# Altium PCB VESC_KS75600.PcbDoc (part 2 of 3) (continued)
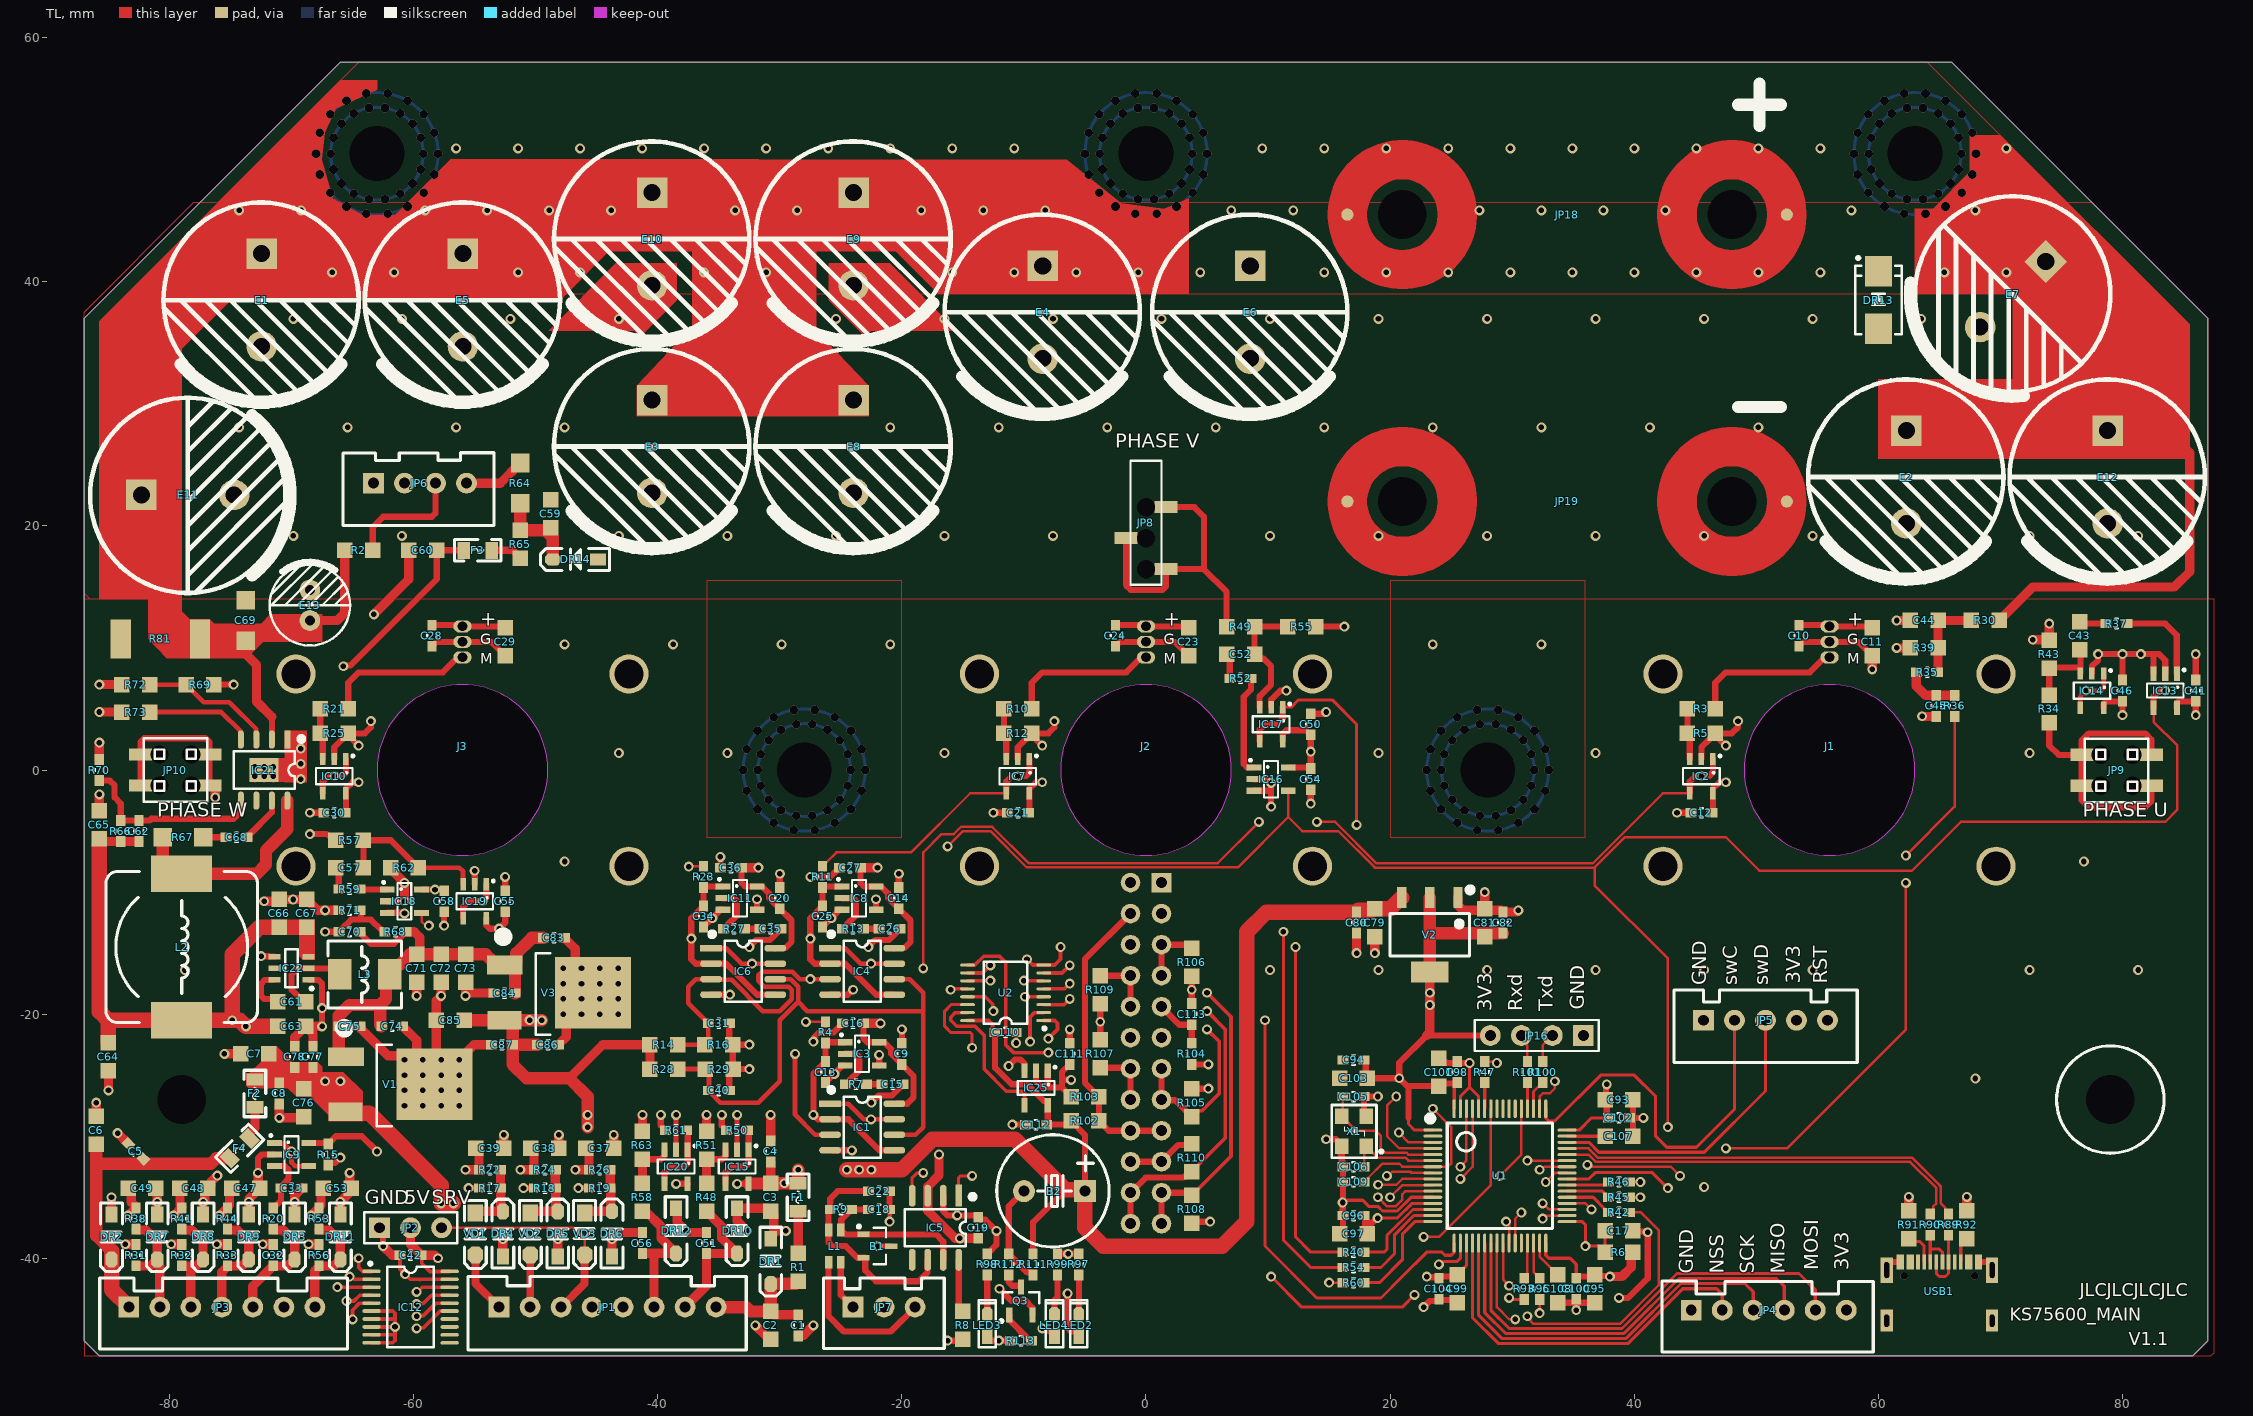
[diagram p0: TL view]
## Nets (pads, with @x,y where several pads share a name; then routed paths per layer and width w, separated by ;. In a path a pad name is that pad's centre, name@x,y a point inside that pad or via, vN(x,y) a via of type N, cw(c..) or ccw(c..) an arc to the next point about the centre after c; other vN are vias at no path point) (continued)
  other v1: -77.25,-35.378 45.72,-34.163 40.75,-28.5 -60.75,-27.5 -59.25,-27.5 -57.75,-27.5 -56.25,-27.5 -60.75,-26.25 -59.25,-26.25 -57.75,-26.25 -56.25,-26.25 67.945,-25.273 -60.75,-25 -59.25,-25 -57.75,-25 -56.25,-25 -60.75,-23.75 -59.25,-23.75 -57.75,-23.75 -56.25,-23.75 -47.75,-20 -46.25,-20 -44.75,-20 -43.25,-20 -47.75,-18.75 -46.25,-18.75 -44.75,-18.75 -43.25,-18.75 -47.75,-17.5 -46.25,-17.5 -44.75,-17.5 -43.25,-17.5 -78.74,-16.383 10.16,-16.383 19.05,-16.383 27.94,-16.383 36.83,-16.383 45.72,-16.383 54.61,-16.383 72.39,-16.383 81.28,-16.383 -47.75,-16.25 -46.25,-16.25 -44.75,-16.25 -43.25,-16.25 17.25,-15 -47.625,-7.493 76.835,-7.493 -68.5,-3.5 -69.25,-0.75 -73,-0.5 -72.25,-0.5 -71.5,-0.5 -73,0.25 -72.25,0.25 -71.5,0.25 -69.25,0.5 -43.18,1.397 -34.29,1.397 -16.51,1.397 19.05,1.397 36.83,1.397 72.39,1.397 -69.25,1.75 81.5,9.5 -47.625,10.287 -38.735,10.287 -29.845,10.287 -20.955,10.287 23.495,10.287 32.385,10.287 -69.85,19.177 -60.96,19.177 -43.18,19.177 -34.29,19.177 -25.4,19.177 -16.51,19.177 -7.62,19.177 10.16,19.177 19.05,19.177 27.94,19.177 36.83,19.177 45.72,19.177 54.61,19.177 72.39,19.177 81.28,19.177 -74.295,28.067 -65.405,28.067 -56.515,28.067 -47.625,28.067 -20.955,28.067 -12.065,28.067 -3.175,28.067 5.715,28.067 14.605,28.067 23.495,28.067 32.385,28.067 41.275,28.067 50.165,28.067 -69.85,36.957 -60.96,36.957 -52.07,36.957 -43.18,36.957 -25.4,36.957 -16.51,36.957 -7.62,36.957 1.27,36.957 10.16,36.957 19.05,36.957 27.94,36.957 36.83,36.957 45.72,36.957 54.61,36.957 63.5,36.957
  other v2: -28.868,-4.924 -27.132,-4.924 27.132,-4.924 28.868,-4.924 -30.5,-4.33 -25.5,-4.33 25.5,-4.33 30.5,-4.33 -28.66,-3.742 -27.34,-3.742 27.34,-3.742 28.66,-3.742 -29.9,-3.291 -26.1,-3.291 26.1,-3.291 29.9,-3.291 -31.83,-3.214 -24.17,-3.214 24.17,-3.214 31.83,-3.214 -30.911,-2.443 -25.089,-2.443 25.089,-2.443 30.911,-2.443 -32.699,-1.71 -23.302,-1.71 23.301,-1.71 32.698,-1.71 -31.571,-1.3 -24.429,-1.3 24.429,-1.3 31.571,-1.3 -33,0 -31.8,0 -24.2,0 -23,0 23,0 24.2,0 31.8,0 33,0 -31.571,1.299 -24.429,1.299 24.429,1.299 31.571,1.299 -32.699,1.71 -23.302,1.71 23.301,1.71 32.698,1.71 -30.911,2.442 -25.089,2.442 25.089,2.442 30.911,2.442 -31.83,3.214 -24.17,3.214 24.17,3.214 31.83,3.214 -29.9,3.291 -26.1,3.291 26.1,3.291 29.9,3.291 -28.66,3.742 -27.34,3.742 27.34,3.742 28.66,3.742 -30.5,4.33 -25.5,4.33 25.5,4.33 30.5,4.33 -28.868,4.924 -27.132,4.924 27.132,4.924 28.868,4.924
HALL_A_S: R42.1 U1.37 | length 3.9
  TL w0.254: U1.37@34.5,-35 36.636,-35 37.569,-35.933 37.569,-35.996 37.823,-36.25 R42.1@37.886,-36.25
HALL_B_S: R45.1 U1.38 | length 3.6
  TL w0.254: U1.38@34.5,-34.5 37.386,-34.5 37.569,-34.683 37.569,-34.746 37.823,-35 R45.1@37.886,-35
HALL_C_S: R46.1 U1.39 | length 3.5
  TL w0.254: U1.39@34.5,-34 37.636,-34 R46.1@37.886,-33.75
HV_BUF: R36.1 U1.11 | length 91.1
  TL w0.203: v1(19,-35) 19.75,-35.75 20.434,-35.75 21,-35.184 21,-34.753 21.253,-34.5 U1.11@23.5,-34.5 ; v1(36.158,-32.342) 36.275,-32.459 36.54,-32.459 36.582,-32.5 43,-32.5 v1(43.75,-33.25) ; v1(47.5,-31) 52.5,-31 62.25,-21.25 v1(62.25,-9.25) ; v1(62.25,-7) 66.25,-3 R36.1@66.25,4.386
  S1 w0.203: v1(19,-35) 20.171,-33.829 24.327,-33.829 25.103,-34.606 25.106,-34.606 25.5,-35 31,-35 31.5,-35.5 31.5,-37.5 31.75,-37.75 36,-37.75 37.442,-36.308 37.442,-33.625 v1(36.158,-32.342) ; v1(43.75,-33.25) 45.25,-33.25 v1(47.5,-31) ; v1(62.25,-9.25) v1(62.25,-7)
IU_5VR: J1.3 R3.2 | length 12.4
  TL w0.508: R3.2@46.643,5 46.643,7.143 47.5,8 54.387,8 55.617,9.23 J1.3@56,9.23
IU_BUF: C13.1 IC1.2 IC1.5 IC3.1 R4.1 U1.8 | length 83.2
  TL w0.203: v1(19.733,-33.247) 19.831,-33.247 20.157,-32.92 21.67,-32.92 21.75,-33 U1.8@23.5,-33
  TL w0.508: IC3.1@-24.65,-22.3 -26.186,-22.3 R4.1@-26.25,-22.364 C13.1@-26.25,-23.886 -26.25,-23.949 -26.377,-24.076 -26.44,-24.076 -27.25,-24.886 v1(-27.25,-28.25) -26.885,-28.615 -24.385,-28.615 -21.845,-31.155 IC1.5@-20.375,-31.155
  S1 w0.203: v1(-27.25,-28.25) -26.767,-28.732 -26.767,-29.79 -26.683,-29.874 -26.683,-38.058 -24.925,-39.816 -8.419,-39.816 -7.08,-41.156 -5.699,-41.156 -4.59,-42.264 10.42,-42.264 10.91,-41.774 10.91,-40.119 14.935,-36.093 16.388,-36.093 16.775,-35.707 16.775,-35.225 18.753,-33.247 v1(19.733,-33.247)
IV_5VR: J2.3 R10.2 | length 12.4
  TL w0.508: R10.2@-9.357,5 -9.357,7.143 -8.5,8 -1.613,8 -0.383,9.23 J2.3@0,9.23
IV_BUF: C25.1 IC4.2 IC4.5 IC8.1 R11.1 U1.9 | length 114.3
  TL w0.203: v1(19.012,-33.979) 20.519,-33.979 20.997,-33.5 U1.9@23.5,-33.5
  TL w0.508: C25.1@-26.5,-11.136 -26.5,-11.2 -26.627,-11.327 -26.691,-11.327 -27.5,-12.136 v1(-27.5,-13.818) -27.5,-15.5 -27.135,-15.865 IC4.2@-25.875,-15.865 -24.635,-15.865 -22.095,-18.405 IC4.5@-20.625,-18.405 ; C25.1@-26.5,-11.136 R11.1@-26.5,-9.614 -26.436,-9.55 IC8.1@-24.9,-9.55
  S1 w0.203: v1(-27.5,-13.818) -36.068,-13.818 -36.894,-14.644 -36.894,-26.603 -36.619,-26.878 -30.182,-26.878 -27.655,-29.405 -27.039,-30.021 -27.039,-38.205 -25.072,-40.172 -8.566,-40.172 -7.227,-41.511 -5.846,-41.511 -4.737,-42.62 10.567,-42.62 11.266,-41.921 11.266,-40.266 15.083,-36.449 16.536,-36.449 19.006,-33.979 v1(19.012,-33.979)
IW_5VR: J3.3 R21.2 | length 12.4
  TL w0.508: R21.2@-65.357,5 -65.357,7.143 -64.5,8 -57.613,8 -56.383,9.23 J3.3@-56,9.23
IW_BUF: C34.1 IC6.2 IC6.5 IC11.1 R23.1 U1.10 | length 105.9
  TL w0.203: v1(20,-35) 21,-34 U1.10@23.5,-34
  TL w0.508: C34.1@-36.25,-11.136 -36.25,-11.2 -36.377,-11.327 -36.441,-11.327 -37.25,-12.136 v1(-37.25,-13.818) -37.25,-15.5 -36.885,-15.865 IC6.2@-35.625,-15.865 -34.385,-15.865 -31.845,-18.405 IC6.5@-30.375,-18.405 ; C34.1@-36.25,-11.136 R23.1@-36.25,-9.614 -36.186,-9.55 IC11.1@-34.65,-9.55
  S1 w0.203: v1(-37.25,-13.818) -37.25,-26.75 -36.766,-27.234 -30.329,-27.234 -27.782,-29.782 -27.394,-30.169 -27.394,-38.353 -25.219,-40.528 -8.714,-40.528 -7.374,-41.867 -5.993,-41.867 -4.885,-42.976 10.714,-42.976 11.622,-42.068 11.622,-40.413 15.23,-36.805 16.683,-36.805 17.547,-35.94 19.06,-35.94 v1(20,-35)
MCU_RESET: C109.2 JP5.5 U1.7 | length 50.2
  TL w0.203: C109.2@17.864,-33.75 17.927,-33.75 18.206,-33.471 18.206,-33.407 19.364,-32.25 20.75,-32.25 21,-32.5 U1.7@23.5,-32.5 24.75,-32.5 25,-32.25 25,-29.25 v1(23.5,-27.75)
  S1 w0.203: v1(23.5,-27.75) 23.5,-24.75 25.25,-23 53.33,-23 JP5.5@55.83,-20.5
MOTOR_PWM_S: R47.1 U1.59 | length 2.1
  TL w0.254: U1.59@27.75,-27.751 R47.1@27.75,-25.614
NetB1_1: B1.1 C18.1 IC5.7 L1.4 R9.1 | length 14.1
  TL w0.508: R9.1@-24,-35.873 R9.1@-24.127,-36 ; C18.1@-22.728,-36 R9.1@-24.127,-36 ; IC5.7@-16.615,-40.125 -16.615,-38.635 -17.2,-38.05 B1.1@-23.143,-38.05 -24.625,-38.05 -24.729,-37.946 -24.954,-37.946 -25,-37.9 L1.4@-25,-37.675 -24.962,-37.637 -24.962,-36.826 -24.327,-36.19 -24.327,-36.127 -24.2,-36 R9.1@-24.136,-36 R9.1@-24.127,-36
NetB1_2: B1.2 C22.2 IC5.6 L1.1 R9.2 | length 18.3
  TL w0.508: R9.2@-25.864,-36 R9.2@-25.873,-36 ; C22.2@-22.864,-34.5 -25.25,-34.5 -25.873,-35.123 R9.2@-25.873,-36 ; IC5.6@-17.885,-40.125 -17.893,-40.133 -17.893,-41.143 -18.636,-41.886 -22.114,-41.886 -23,-41 -23,-39.979 -23.029,-39.95 B1.2@-23.143,-39.95 -23.643,-39.95 -24.593,-39 -25.702,-39 -26,-38.702 L1.1@-26,-37.675 -26,-36.127 R9.2@-25.873,-36
NetB2_2: B2.2 R111.2 R112.2 | length 8.4
  TL w0.508: B2.2@-10,-34.5 -11.25,-35.75 R112.2@-11.25,-39.636 -11.25,-39.7 -11.123,-39.827 -11.06,-39.827 -9.713,-41.173 -9.377,-41.173 -9.25,-41.3 R111.2@-9.25,-41.364
NetC15_1: C15.1 R7.2 | length 1.3
  TL w0.508: R7.2@-22.886,-25.75 C15.1@-21.614,-25.75
NetC26_1: C26.1 R13.2 | length 1.3
  TL w0.508: R13.2@-23.136,-13 C26.1@-21.864,-13
NetC33_2: C33.2 IC9.3 R20.2 | length 5
  TL w0.508: R20.2@-71.5,-35.886 -71.5,-35.823 -71.373,-35.696 -71.309,-35.696 -70.863,-35.25 C33.2@-70.863,-34.25 -70.8,-34.25 -70.673,-34.123 -70.673,-33.923 -70.25,-33.5 -70.25,-32.75 -70.55,-32.45 IC9.3@-71.4,-32.45
NetC35_1: C35.1 R27.2 | length 1.3
  TL w0.508: R27.2@-32.886,-13 C35.1@-31.614,-13
NetC43_1: C43.1 R37.1 | length 2.5
  TL w0.508: C43.1@76.746,12.389 C43.1@76.5,12.143 76.643,12 R37.1@78.611,12
NetC43_2: C43.2 IC14.3 R34.1 R43.2 | length 6.8
  TL w0.508: R34.1@74,6.143 R43.2@74,8.357 74.043,8.4 76.55,8.4 ; C43.2@76.5,9.857 76.55,9.807 76.55,8.4 ; IC14.3@76.55,7.9 76.55,8.4
NetC44_1: C44.1 R30.1 R35.2 R39.2 | length 7
  TL w0.762: R35.2@64.864,8 64.893,8 R39.2@64.893,10 C44.1@64.893,12.25 R30.1@67.607,12.25
NetC45_1: C45.1 R35.1 R36.2 | length 4.6
  TL w0.762: R35.1@63.111,8 63.111,6.889 63.886,6.114 R36.2@66.25,6.114
NetC47_2: C47.2 IC12.4 R44.1 | length 18.2
  TL w0.305: v1(-65.5,-43.5) -65.496,-43.496 -64.892,-43.496 -64.422,-43.025 IC12.4@-63.45,-43.025
  TL w0.762: v1(-75.91,-36.511) R44.1@-75.26,-35.861 ; R44.1@-75.25,-35.861 -75.25,-35.798 -75.09,-35.638 -75.09,-34.447 C47.2@-74.893,-34.25
  S1 w0.305: v1(-75.91,-36.511) -69.921,-42.5 -67.5,-42.5 -66.5,-43.5 v1(-65.5,-43.5)
NetC48_2: C48.2 IC12.3 R41.1 | length 23.8
  TL w0.305: v1(-66.246,-42.363) -66.235,-42.375 IC12.3@-63.45,-42.375
  TL w0.762: v1(-79.66,-36.511) R41.1@-79.01,-35.861 ; C48.2@-79.143,-34.25 -79.143,-35.655 R41.1@-79,-35.798
  S1 w0.305: v1(-79.66,-36.511) -79.66,-34.91 -79.25,-34.5 -75.547,-34.5 -68.004,-42.043 -67.311,-42.043 -66.978,-42.375 -66.258,-42.375 v1(-66.246,-42.363)
NetC49_2: C49.2 IC12.2 R38.1 | length 28.9
  TL w0.305: v1(-65.25,-41.5) -65.113,-41.5 -64.888,-41.725 IC12.2@-63.45,-41.725
  TL w0.762: v1(-83.41,-36.511) R38.1@-82.76,-35.861 ; C49.2@-83.393,-34.25 -83.139,-34.504 -83.139,-35.409 -82.75,-35.798 R38.1@-82.75,-35.861
  S1 w0.305: v1(-83.41,-36.511) -83.41,-35.16 -82.25,-34 -73.5,-34 -72.5,-35 -72.5,-36.9 -70.383,-39.018 -69.065,-40.336 -68.371,-40.336 -67.207,-41.5 v1(-65.25,-41.5)
NetC52_1: C52.1 R52.1 | length 2.1
  TL w0.508: C52.1@6.607,9.5 6.861,9.246 R52.1@6.861,7.5
NetC52_2: C52.2 IC17.3 R49.1 R55.2 | length 10.5
  TL w0.508: IC17.3@9.3,5.15 9.3,6.05 10.25,7 10.25,8.5 9.631,9.119 9.274,9.119 C52.2@8.893,9.5 R49.1@8.893,11.75 R55.2@11.607,11.75
NetC53_2: C53.2 IC12.5 R53.1 | length 15.5
  TL w0.305: v1(-65,-45) -65,-44.25 -64.425,-43.675 IC12.5@-63.45,-43.675
  TL w0.762: v1(-68.41,-36.511) R53.1@-67.76,-35.861 ; R53.1@-67.75,-35.861 -67.75,-35.798 -67.59,-35.638 -67.59,-34.447 C53.2@-67.393,-34.25
  S1 w0.305: v1(-68.41,-36.511) -67,-37.921 -67,-38.623 -64.5,-41.123 -64.5,-43.668 -65,-44.168 v1(-65,-45)
NetC57_1: C57.1 R59.1 | length 1.9
  TL w0.508: C57.1@-66.393,-8 -66.139,-8.254 R59.1@-66.139,-9.75
NetC57_2: C57.2 IC19.3 R57.1 R62.2 | length 12.5
  TL w0.381: R62.2@-59.607,-8 -56.25,-8 -55.95,-8.3 IC19.3@-55.95,-9.35
  TL w0.508: C57.2@-64.107,-8 R57.1@-64.107,-5.75 -61.857,-5.75 R62.2@-59.607,-8
NetC59_1: C59.1 DR14.2 R64.1 R65.1 | length 6.9
  TL w1.016: R64.1@-51.25,21.849 R65.1@-51.25,19.643 -49.195,19.643 -48.6,19.048 DR14.2@-48.6,17.25
NetC61_1: C61.1 IC22.6 | length 3.8
  TL w0.508: IC22.6@-71.397,-17.2 -72.202,-17.2 -72.5,-17.498 -72.5,-18.5 -72.237,-18.763 -71.38,-18.763 C61.1@-71.143,-19
NetC61_2: C61.2 IC22.2 L3.1 | length 6
  TL w0.508: -69.5,-18.5 -70,-18 -70,-16.75 -69.5,-16.25 IC22.2@-68.603,-16.25 -66.222,-16.25 L3.1@-66.197,-16.225
NetC62_2: C62.2 IC21.5 R66.1 R70.2 | length 15.6
  TL w0.508: R70.2@-85.702,-0.912 R70.2@-85.75,-0.864 -84.886,-0.864 -84.5,-1.25 -84.5,-2.25 -84,-2.75 R66.1@-84,-4.136 -82.5,-4.136 -81.636,-4.136 -81.5,-4 -74.75,-4 -74.155,-3.405 IC21.5@-74.155,-2.5
NetC68_1: C68.1 R67.1 | length 1.9
  TL w0.508: R67.1@-77.25,-5.5 C68.1@-75.389,-5.5
NetC68_2: C68.2 IC21.7 | length 4.1
  TL w0.508: C68.2@-73.636,-5.5 C68.2@-73.573,-5.5 ; C68.2@-73.438,-5.635 C68.2@-73.573,-5.5 ; IC21.7@-71.615,-2.5 -71.615,-3.479 -73.446,-5.31 -73.446,-5.373 C68.2@-73.573,-5.5
NetC70_2: C70.2 IC22.4 R68.1 R71.2 | length 14.7
  TL w0.508: v1(-72.5,-15.25) -71.854,-15.25 -71.833,-15.271 -71.426,-15.271 IC22.4@-71.397,-15.3 ; v1(-67.25,-13.25) C70.2@-66.05,-13.25 ; C70.2@-66.114,-13.25 C70.2@-66.05,-13.25 ; R71.2@-64.386,-11.5 -64.307,-11.58 -64.307,-12.25 ; R68.1@-62.389,-13.25 -62.516,-13.123 -62.627,-13.123 -63.5,-12.25 -64.307,-12.25 ; C70.2@-66.05,-13.25 -65.923,-13.123 -65.923,-13.059 -65.114,-12.25 -64.307,-12.25
  S1 w0.508: v1(-72.5,-15.25) -67.75,-15.25 -67.25,-14.75 v1(-67.25,-13.25)
NetC105_2: C105.2 U1.5 X1.3 | length 11.1
  TL w0.203: C105.2@16.136,-26.75 16.136,-28.27 X1.3@16.044,-28.362 16.044,-28.462 16.493,-28.911 16.593,-28.911 17.225,-29.543 18.826,-29.543 19.25,-29.968 19.25,-31 19.606,-31.356 21.359,-31.356 21.503,-31.5 U1.5@23.5,-31.5
NetC106_2: C106.2 U1.6 X1.1 | length 7.7
  TL w0.203: C106.2@17.864,-32.5 17.864,-31.013 X1.1@18.051,-30.826 18.051,-30.926 18.499,-31.375 18.599,-31.375 18.975,-31.75 21.25,-31.75 21.5,-32 U1.6@23.5,-32
NetC107_1: C107.1 U1.47 | length 3.1
  TL w0.254: U1.47@34.5,-30 C107.1@37.607,-30
NetC108_1: C108.1 U1.31 | length 3.2
  TL w0.203: U1.31@32.25,-38.75 32.25,-39.857 C108.1@33.75,-41.357
NetDR4_2: DR4.2 R17.1 R22.2 VD1.1 | length 5.8
  TL w0.762: VD1.1@-54.937,-36.294 -54.801,-36.159 DR4.2@-52.687,-36.159 -52.687,-35.982 -52.861,-35.807 -52.861,-34.25 R17.1@-52.886,-34.25 R22.2@-52.886,-32.75
NetDR5_2: DR5.2 R18.1 R24.2 VD2.1 | length 6.2
  TL w0.762: VD2.1@-50.437,-36.294 -50.301,-36.159 DR5.2@-48.187,-36.159 -48.187,-35.982 -48.361,-35.807 -48.361,-34.65 ; R24.2@-48.386,-32.75 -48.386,-34.625 -48.361,-34.65 ; R18.1@-48.361,-34.25 -48.361,-34.65
NetDR6_2: DR6.2 R19.1 R26.2 VD3.1 | length 5.8
  TL w0.762: VD3.1@-46,-36.286 -45.865,-36.15 DR6.2@-43.75,-36.15 -43.75,-35.973 -43.861,-35.862 -43.861,-34.25 R19.1@-43.886,-34.25 R26.2@-43.886,-32.75
NetF1_2: F1.2 R1.2 | length 3.5
  TL w0.762: R1.2@-28.5,-39.607 F1.2@-28.5,-36.143
NetF2_2: F2.2 F4.1 | length 2.8
  TL w0.762: F4.1@-73.442,-30.192 -73.576,-30.057 -73.576,-29.877 -73,-29.301 F2.2@-73,-27.643
NetF3_2: F3.2 R65.2 | length 2.6
  TL w0.635: F3.2@-53.607,18 -51.893,18 R65.2@-51.25,17.357
NetIC2_1: IC2.1 IC2.4 R4.2 | length 103.7
  TL w0.203: v1(-27.864,-20.636) R4.2@-26.25,-20.636 ; v1(-18.25,-16.25) -18.25,-6.75 -16.75,-5.25 -15.753,-5.25 -15.147,-4.644 -12.603,-4.644 -9.624,-7.623 5.877,-7.623 v1(9.25,-4.25) ; v1(14,-4.25) 15.503,-4.25 18.897,-7.644 36.603,-7.644 42.347,-1.9 IC2.4@44.55,-1.9
  TL w0.508: IC2.4@44.55,-1.9 44.55,-0.95 45,-0.5 v1(45.5,-0.5) 46.152,-0.5 46.45,-0.202 IC2.1@46.45,0.9
  S1 w0.203: v1(-27.864,-20.636) -26.114,-20.636 -22.682,-24.068 -19.318,-24.068 -18.25,-23 v1(-18.25,-16.25) ; v1(9.25,-4.25) v1(14,-4.25)
NetIC2_3: IC2.3 R3.1 R5.2 | length 4.2
  TL w0.508: R3.1@44.357,5 R5.2@44.357,3 44.55,2.807 IC2.3@44.55,0.9
NetIC3_2: IC3.2 R7.1 | length 4
  TL w0.508: IC3.2@-24.65,-23.25 -23.75,-23.25 -23.5,-23.5 -23.5,-24.636 -24.296,-25.432 -24.296,-25.496 -24.55,-25.75 R7.1@-24.614,-25.75
NetIC5_8: IC5.8 R8.2 | length 4.4
  TL w0.508: IC5.8@-15.345,-40.125 -15.345,-44.012 R8.2@-15,-44.357
NetIC7_1: IC7.1 IC7.4 R11.2 | length 21.8
  TL w0.203: R11.2@-26.5,-7.886 -26.5,-7.823 -26.221,-7.543 -26.157,-7.543 -25.364,-6.75 -19.25,-6.75 -14.4,-1.9 IC7.4@-11.45,-1.9
  TL w0.508: IC7.4@-11.45,-1.9 -11.45,-0.95 -11,-0.5 v1(-10.5,-0.5) -9.848,-0.5 -9.55,-0.202 IC7.1@-9.55,0.9
NetIC7_3: IC7.3 R10.1 R12.2 | length 4.2
  TL w0.508: R10.1@-11.643,5 R12.2@-11.643,3 -11.45,2.807 IC7.3@-11.45,0.9
NetIC8_2: IC8.2 R13.1 | length 4
  TL w0.508: IC8.2@-24.9,-10.5 -24,-10.5 -23.75,-10.75 -23.75,-11.886 -24.546,-12.682 -24.546,-12.746 -24.8,-13 R13.1@-24.864,-13
NetIC10_1: IC10.1 IC10.4 R23.2 | length 42.8
  TL w0.203: v1(-37.459,-7.913) -37.432,-7.886 R23.2@-36.25,-7.886
  TL w0.508: IC10.4@-67.45,-1.9 -67.45,-0.95 -67,-0.5 v1(-66.5,-0.5) -65.848,-0.5 -65.55,-0.202 IC10.1@-65.55,0.9
  S1 w0.203: v1(-66.5,-0.5) -66.5,-3.75 -62,-8.25 -57.5,-8.25 -56.25,-9.5 -54,-9.5 -51.75,-11.75 -41,-11.75 -37.575,-8.325 -37.575,-8.029 v1(-37.459,-7.913)
NetIC10_3: IC10.3 R21.1 R25.2 | length 4.2
  TL w0.508: R21.1@-67.643,5 R25.2@-67.643,3 -67.45,2.807 IC10.3@-67.45,0.9
NetIC11_2: IC11.2 R27.1 | length 4
  TL w0.508: IC11.2@-34.65,-10.5 -33.75,-10.5 -33.5,-10.75 -33.5,-11.886 -34.296,-12.682 -34.296,-12.746 -34.55,-13 R27.1@-34.614,-13
NetIC12_15: IC12.15 R47.2 | length 138
  TL w0.203: R47.2@27.75,-23.886 28.636,-23.886 v1(28.75,-24)
  TL w0.305: v1(-59.75,-45.75) -59.694,-45.694 -59.194,-45.694 -57.825,-44.325 IC12.15@-57.05,-44.325
  S1 w0.203: v1(-59.75,-45.75) -57.283,-45.75 -55.435,-47.598 -18.098,-47.598 -16.5,-46 -11.5,-46 -10.257,-47.243 37.769,-47.243 42.644,-42.367 42.644,-36.139 41.734,-35.228 41.734,-33.734 39.606,-31.606 34.103,-31.606 28.75,-26.253 v1(28.75,-24)
NetIC12_16: IC12.16 R46.2 | length 119.4
  TL w0.203: R46.2@39.614,-33.75 v1(40.5,-33.75)
  TL w0.305: v1(-59.75,-44.75) -59.694,-44.694 -59.194,-44.694 -58.175,-43.675 IC12.16@-57.05,-43.675
  S1 w0.203: v1(-59.75,-44.75) -57.781,-44.75 -55.288,-47.243 -18.246,-47.243 -16.647,-45.644 -11.353,-45.644 -11.249,-45.749 -11.05,-45.947 -10.11,-46.887 37.621,-46.887 42.289,-42.22 42.289,-36.286 41.378,-35.376 41.378,-34.628 v1(40.5,-33.75)
NetIC12_17: IC12.17 R45.2 | length 117.6
  TL w0.203: R45.2@39.614,-35 v1(40.5,-35)
  TL w0.305: v1(-59.75,-43.75) -59.694,-43.694 -59.194,-43.694 -58.525,-43.025 IC12.17@-57.05,-43.025
  S1 w0.203: v1(-59.75,-43.75) -58.278,-43.75 -55.14,-46.887 -18.393,-46.887 -16.795,-45.289 -11.205,-45.289 -10.997,-45.497 -9.963,-46.532 37.474,-46.532 41.933,-42.073 41.933,-36.433 v1(40.5,-35)
NetIC12_18: IC12.18 R42.2 | length 117.2
  TL w0.203: v1(31.25,-44.75) 31.25,-44.869 31.75,-45.369 38.842,-45.369 42,-42.211 42,-37.696 40.55,-36.246 R42.2@39.618,-36.246
  TL w0.305: v1(-59.75,-42.75) -59.665,-42.75 -59.29,-42.375 IC12.18@-57.05,-42.375
  S1 w0.203: v1(-59.75,-42.75) -58.775,-42.75 -54.993,-46.532 -18.54,-46.532 -16.942,-44.933 -8.383,-44.933 -7.496,-45.82 30.93,-45.82 31.25,-45.5 v1(31.25,-44.75)
NetIC13_1: IC13.1 R37.2 | length 7.6
  TL w0.508: R37.2@80.364,12 83.5,12 84.45,11.05 IC13.1@84.45,7.9
NetIC14_1: IC14.1 IC14.4 R40.2 | length 108.2
  TL w0.254: v1(12.25,-14.5) 12.25,-38.25 13.5,-39.5 R40.2@16.136,-39.5
  TL w0.381: IC14.4@76.55,5.1 76.55,6.05 v1(77,6.5) 78.227,6.5 78.45,6.723 IC14.1@78.45,7.9
  S1 w0.254: v1(12.25,-14.5) 12.303,-14.447 12.803,-14.447 19.25,-8 36.5,-8 39,-5.5 47.25,-5.5 50,-8.25 59.25,-8.25 74,6.5 v1(77,6.5)
NetIC15_1: IC15.1 IC15.4 R50.2 | length 5.9
  TL w0.508: IC15.4@-34.45,-33.897 -34.45,-32.947 -34,-32.497 -32.848,-32.497 -32.55,-32.199 IC15.1@-32.55,-31.097 ; R50.2@-32.636,-29.5 -32.55,-29.586 IC15.1@-32.55,-31.1
NetIC15_3: IC15.3 R48.1 R51.2 | length 4.1
  TL w0.508: R51.2@-36,-31.893 -34.748,-31.893 -34.45,-31.595 IC15.3@-34.45,-31.1
  TL w0.762: R48.1@-36,-33.857 R51.2@-36,-31.893
NetIC16_1: IC16.1 R52.2 | length 8.2
  TL w0.508: R52.2@8.614,7.5 8.614,6.614 8,6 8,0.5 8.3,0.2 IC16.1@8.85,0.2
NetIC17_1: IC17.1 IC17.4 R54.2 | length 62.9
  TL w0.254: IC17.1@11.2,5.15 11.9,5.15 12.5,5.75 15.25,5.75 17.25,3.75 v1(17.25,-4.5) ; v1(11.25,-13.25) 11.25,-38.5 13.5,-40.75 R54.2@16.136,-40.75
  TL w0.508: IC17.4@9.3,2.35 9.3,3.3 9.75,3.75 10.75,3.75 11.2,4.2 IC17.1@11.2,5.15
  S1 w0.254: v1(11.25,-13.25) 13,-13.25 17.25,-9 v1(17.25,-4.5)
NetIC18_1: IC18.1 R59.2 | length 2.3
  TL w0.508: R59.2@-64.386,-9.75 -64.336,-9.8 IC18.1@-62.15,-9.8
NetIC19_1: IC19.1 IC19.4 R60.2 | length 102.2
  TL w0.203: v1(15,-42) R60.2@16.136,-42
  TL w0.508: IC19.4@-55.95,-12.15 -55.95,-11.2 -55.5,-10.75 v1(-54.348,-10.75) -54.05,-10.452 IC19.1@-54.05,-9.35
  S1 w0.203: v1(-54.348,-10.75) -54.348,-25.402 -52.16,-27.59 -30.476,-27.59 -27.75,-30.316 -27.75,-38.5 -25.367,-40.883 -8.861,-40.883 -7.522,-42.223 -6.14,-42.223 -5.032,-43.331 12.919,-43.331 14.25,-42 v1(15,-42)
NetIC20_1: IC20.1 IC20.4 R61.2 | length 5.9
  TL w0.508: IC20.4@-39.45,-33.9 -39.45,-32.95 -39,-32.5 -37.848,-32.5 -37.55,-32.202 IC20.1@-37.55,-31.1 -37.55,-29.586 R61.2@-37.636,-29.5
NetIC20_3: IC20.3 R58.1 R63.2 | length 4.1
  TL w0.508: R63.2@-41,-31.89 -39.748,-31.89 -39.45,-31.592 IC20.3@-39.45,-31.097
  TL w0.762: R58.1@-41.25,-33.857 R63.2@-41.25,-31.893
NetIC21_3: IC21.3 R69.1 R72.2 | length 11.1
  TL w0.381: R72.2@-81.607,7 R69.1@-78.643,7 -77.201,5.558 -75.104,5.558 -72.908,3.362 -72.908,2.523 IC21.3@-72.885,2.5
NetIC21_4: IC21.4 R73.2 | length 8.8
  TL w0.381: R73.2@-81.607,4.75 -75.75,4.75 -74.178,3.178 -74.178,2.523 IC21.4@-74.155,2.5
NetIC21_8: IC21.8 L2.1 R67.2 | length 17.2
  TL w1.016: R67.2@-80.552,-5.5 -80.552,-7.508 -79.56,-8.5 L2.1@-79,-8.5 -72.843,-8.5 -72.095,-7.752 -72.095,-6.595 -70.345,-4.845 IC21.8@-70.345,-2.5
NetIC25_4: IC25.4 U2.15 | length 12.9
  TL w0.305: U2.15@-14.625,-19.875 -15.625,-19.875 -15.999,-20.249 -15.999,-20.501 -15.5,-21 -14,-21 -13.25,-21.75 -13.25,-24.5 -11.441,-26.309 -10.129,-26.309 -9.95,-26.487 IC25.4@-9.95,-27.45
NetJP6_3: JP6.3 R2.2 | length 10
  TL w0.508: R2.2@-63.357,18 -63.357,19.893 -62.5,20.75 -58.5,20.75 -58.21,21.04 JP6.3@-58.21,23.5
NetLED2_2: LED2.2 R97.2 | length 3.2
  TL w0.508: LED2.2@-5.507,-44.611 -5.5,-44.604 R97.2@-5.5,-41.364
NetLED3_1: LED3.1 R113.1 U1.50 | length 88.9
  TL w0.203: U1.50@32.25,-27.751 32.25,-26.75 32.5,-26.5 33.078,-26.5 33.489,-26.089 33.489,-25.511 v1(33.5,-25.5)
  TL w0.508: LED3.1@-13.007,-46.389 -13.007,-46.56 -12.816,-46.75 v1(-12.052,-46.75) R113.1@-11.114,-46.75
  S1 w0.203: v1(-12.052,-46.75) -11.976,-46.826 -11.976,-47.274 -11.652,-47.598 37.916,-47.598 43,-42.514 43,-35.991 42.09,-35.081 42.09,-33.587 39.753,-31.25 34.25,-31.25 32,-29 32,-26.177 32.677,-25.5 v1(33.5,-25.5)
NetLED3_2: LED3.2 R98.2 | length 3.2
  TL w0.508: LED3.2@-13.007,-44.611 -13,-44.604 R98.2@-13,-41.364